# Altium PCB Mirror TurnSignal.PcbDoc
Units mm, origin at the board's own origin, x right, y up, seen from the top; angles counter-clockwise.
Board outline 86.2 x 50.28 mm, 2 copper layers (Top Layer, Bottom Layer); 58 components, 34 nets, 169 pads, 4 vias.
Unrouted connection lines stored in the file: 8.
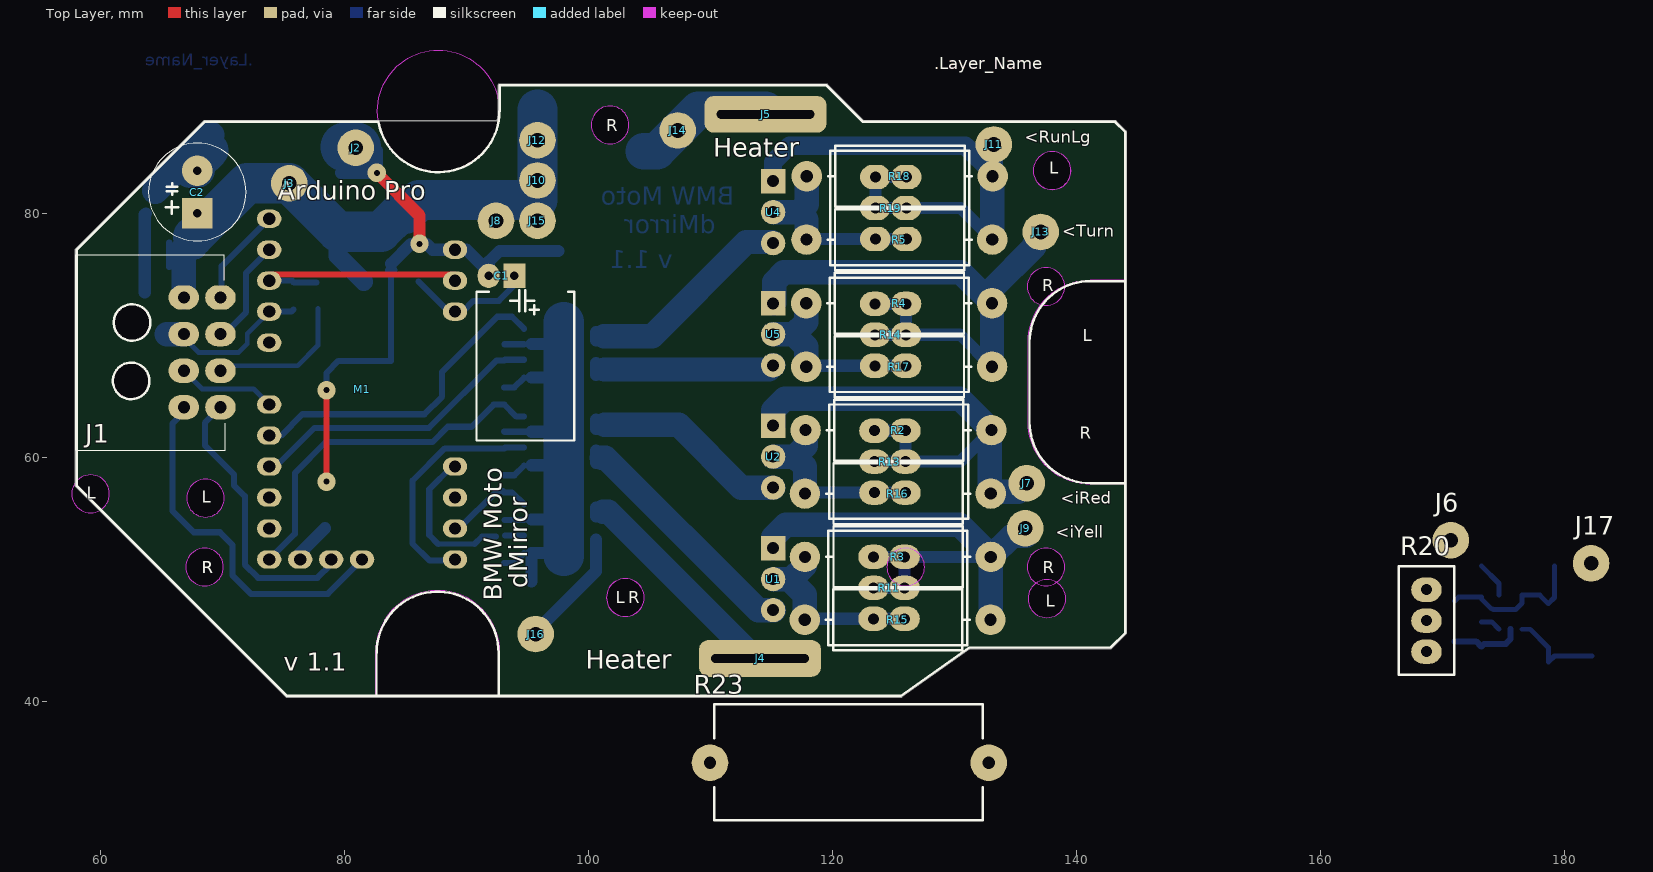
[diagram p0: Top Layer view]
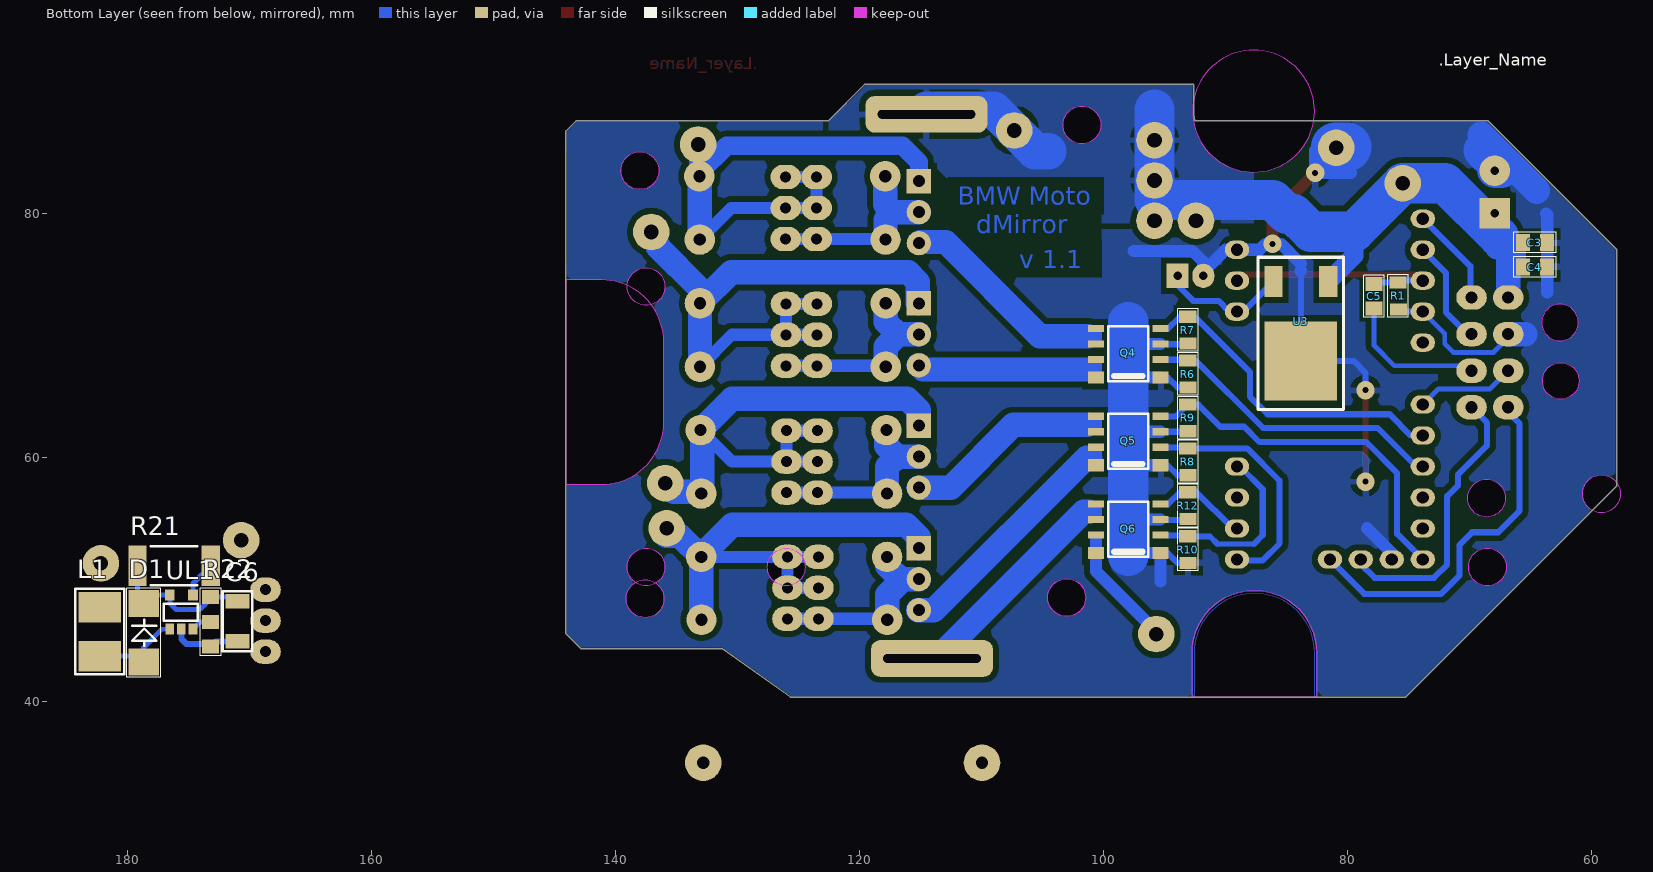
[diagram p1: Bottom Layer view, seen from below]

## Layer stack, top to bottom
Top Solder: solder mask 0.0102, Solder Resist, Dk 3.5
Top Layer: signal copper 0.0356
Dielectric 1: dielectric 0.32, FR-4, Dk 4.8
Bottom Layer: signal copper 0.0356
Bottom Solder: solder mask 0.0102, Solder Resist, Dk 3.5

## Board outline
57.929,57.603 cw(c58,57.674) 57.9,57.674 57.9,77 cw(c58,77) 57.929,77.071 68.429,87.571 cw(c68.5,87.5) 68.5,87.6 92.518,87.6 ccw(c87.68,88.374) 92.58,88.374 cw(c92.68,88.374) 92.59,88.419 92.59,90.5 cw(c92.691,90.5) 92.691,90.6 119.5,90.6 cw(c119.5,90.5) 119.571,90.571 122.542,87.6 143.174,87.6 cw(c143.174,87.5) 143.245,87.571 144.071,86.745 cw(c144,86.674) 144.1,86.674 144.1,45.6 cw(c144,45.6) 144.071,45.529 142.871,44.329 cw(c142.8,44.4) 142.8,44.3 131.232,44.3 125.658,40.342 cw(c125.6,40.424) 125.6,40.324 75.25,40.324 cw(c75.25,40.424) 75.179,40.353
cut-out: 87.675,83.38 cw(c87.675,88.38) 82.675,88.38 cw(c87.675,88.38) 87.675,93.38 cw(c87.675,88.38) 92.675,88.38 cw(c87.675,88.38)
cut-out: 57.6,57 ccw(c59.15,57) 59.15,55.45 ccw(c59.15,57) 60.7,57 ccw(c59.15,57) 59.15,58.55 ccw(c59.15,57)
cut-out: 66.95,51 ccw(c68.5,51) 68.5,49.45 ccw(c68.5,51) 70.05,51 ccw(c68.5,51) 68.5,52.55 ccw(c68.5,51)
cut-out: 101.448,48.492 ccw(c102.998,48.492) 102.998,46.942 ccw(c102.998,48.492) 104.548,48.492 ccw(c102.998,48.492) 102.998,50.042 ccw(c102.998,48.492)
cut-out: 136.452,83.508 ccw(c138.002,83.508) 138.002,81.958 ccw(c138.002,83.508) 139.552,83.508 ccw(c138.002,83.508) 138.002,85.058 ccw(c138.002,83.508)
cut-out: 136.05,62.875 136.05,69.45 cw(c141.15,69.449) 141.15,74.55 143.999,74.55 cw(c143.999,74.449) 144.07,74.52 144.071,74.519 ccw(c144,74.448) 144.071,74.52 ccw(c143.999,74.449) 144.07,74.52 cw(c144,74.448) 144.071,74.52 cw(c143.999,74.449) 144.071,74.519 cw(c144,74.448) 144.1,74.448 144.1,57.874 cw(c144,57.874) 144,57.774 141.15,57.774 cw(c141.15,62.874)
cut-out: 82.499,40.448 ccw(c82.599,40.448) 82.541,40.366 ccw(c82.624,40.424) 82.624,40.324 92.625,40.324 ccw(c92.625,40.424) 92.725,40.424 ccw(c92.625,40.424) 92.708,40.48 ccw(c92.621,40.529) 92.721,40.529 92.721,43.974 ccw(c92.621,43.974) 92.71,44.02 ccw(c87.61,43.974) 82.51,44.02 ccw(c82.599,43.974) 82.499,43.974
cut-out: 136.025,48.4 ccw(c137.575,48.4) 137.575,46.85 ccw(c137.575,48.4) 139.125,48.4 ccw(c137.575,48.4) 137.575,49.95 ccw(c137.575,48.4)
cut-out: 135.95,51 ccw(c137.5,51) 137.5,49.45 ccw(c137.5,51) 139.05,51 ccw(c137.5,51) 137.5,52.55 ccw(c137.5,51)
cut-out: 135.95,74 ccw(c137.5,74) 137.5,72.45 ccw(c137.5,74) 139.05,74 ccw(c137.5,74) 137.5,75.55 ccw(c137.5,74)
cut-out: 136.45,83.5 ccw(c138,83.5) 138,81.95 ccw(c138,83.5) 139.55,83.5 ccw(c138,83.5) 138,85.05 ccw(c138,83.5)
cut-out: 100.2,87.25 ccw(c101.75,87.25) 101.75,85.7 ccw(c101.75,87.25) 103.3,87.25 ccw(c101.75,87.25) 101.75,88.8 ccw(c101.75,87.25)
cut-out: 101.45,48.5 ccw(c103,48.5) 103,46.95 ccw(c103,48.5) 104.55,48.5 ccw(c103,48.5) 103,50.05 ccw(c103,48.5)
cut-out: 67.025,56.65 ccw(c68.575,56.65) 68.575,55.1 ccw(c68.575,56.65) 70.125,56.65 ccw(c68.575,56.65) 68.575,58.2 ccw(c68.575,56.65)
cut-out: 124.45,51 ccw(c126,51) 126,49.45 ccw(c126,51) 127.55,51 ccw(c126,51) 126,52.55 ccw(c126,51)

## Design rules (kind name [scope] priority, off if disabled: settings)
Clearance Clearance_1 [InPolygon vs InPolygon] p1: gap=0.5 ignorepadtopadclearanceinfootprint=FALSE
Clearance Clearance_PolyToBrdCut [InPolygon vs IsRegion] p2: gap=0 ignorepadtopadclearanceinfootprint=FALSE
Clearance Clearance_Poly [InPolygon] p3: gap=0.5 ignorepadtopadclearanceinfootprint=FALSE except(0: Arc-Hole Track-Hole SMDPad-Hole THPad-Hole Via-Hole Fill-Hole Poly-Hole Region-Hole Text-Hole)
Clearance [All] p4: gap=0.3 ignorepadtopadclearanceinfootprint=FALSE except(0: Arc-Hole Track-Hole SMDPad-Hole THPad-Hole Via-Hole Fill-Hole Poly-Hole Region-Hole Text-Hole)
ComponentClearance ComponentClearance_1 [InComponent('R13','R14','R11','R19', 'J3')] p1: gap=0 collisioncheckmode=3 verticalgap=0 showdistances=FALSE
ComponentClearance [All] p2: gap=0.01 collisioncheckmode=3 verticalgap=0.2 showdistances=FALSE
Height [All] p1: minheight=0 maxheight=25 prefheight=12.7
HoleSize [All] p1: absolutevalues=TRUE maxlimit=3.2 minlimit=0.4 maxpercent=80.000 minpercent=20.000
HoleToHoleClearance [All] p1: gap=0.2 allowstackedmicrovias=TRUE
PlaneClearance [All] p1: clearance=0.5
PlaneConnect [All] p1: planeconnectstyle=Relief reliefexpansion=0.508 reliefentries=4 reliefconductorwidth=0.5 reliefairgap=0.01
PolygonConnect [All] p1: connectstyle=Relief reliefconductorwidth=0.5 reliefentries=4 polygonreliefangle="90 Angle" airgapwidth=0.5
RoutingVias [All] p1: holewidth=0.7 width=1.5 viastyle="Through Hole" minholewidth=0.4 minwidth=0.4 maxholewidth=3.2 maxwidth=7
SilkToSilkClearance [All] p1: silktosilkclearance=0.05
SilkToSolderMaskClearance [IsPad] p1: minsilkscreentomaskgap=0.2 clearancetoexposedcopper=TRUE
SolderMaskExpansion [All] p1: expansion=0.1
Width [All] p1: maxlimit=4 minlimit=0.2 preferedwidth=0.5
22 further rules are at their usual default settings.

## Components (designator, comment, footprint, x,y, rotation, side; value= is the part's Value field where it differs from the comment)
C1 "330uF 16V" "Cap E p3.5mm D8xH12 R - PR" 96.6,74.875 r180 top
C2 "470uF 25V" "Cap E p3.5mm D8xH12" 67.9,80 r90 top
C3 "0.1uF" "SMD 0805 (2012)"#1 65.6,77.6 r180 bottom
C4 "0.01uF" "SMD 0805 (2012)"#1 65.6,75.6 r180 bottom
C5 "0.01uF" "SMD 0805 (2012)"#1 77.8,72.2 r90 bottom
C6 "4.7uF" "SMD 1206 (3216)" 171,44.9 r90 bottom
D1 "SS34" "DO-214AC (SMA)" 178.7,43.2 r90 bottom value=1N5822
J1 "Connector" "Molex Micro-Fit 3.0 - 8 pin D R" 66.8,64.1 r270 top
J2 "GND" "OnePin 1.2x3" 80.9,85.375 r0 top
J3 "+12V" "OnePin 1.2x3" 75.45,82.475 r0 top
J4 "Heater" "OnePin 3x10mm Hole 0.7x8" 114.05,43.5 r180 top
J5 "Heater" "OnePin 3x10mm Hole 0.7x8" 114.5,88.125 r180 top
J6 "Y V" "OnePin 1.2x3" 170.7,53.2 r0 top
J7 "iR" "OnePin 1.2x3" 135.925,57.875 r0 top
J8 "OnePinC" "OnePin 1.2x3" 92.4,79.4 r0 top
J9 "iY" "OnePin 1.2x3" 135.8,54.175 r0 top
J10 "OnePinC" "OnePin 1.2x3" 95.8,82.7 r0 top
J11 "RunLight" "OnePin 1.2x3" 133.225,85.65 r0 top
J12 "OnePinC" "OnePin 1.2x3" 95.8,86 r0 top
J13 "Turn" "OnePin 1.2x3" 137.075,78.475 r0 top
J14 "OnePinC" "OnePin 1.2x3" 107.3,86.8 r0 top
J15 "OnePinC" "OnePin 1.2x3" 95.8,79.4 r0 top
J16 "Reserved" "OnePin 1.2x3" 95.65,45.5 r0 top
J17 "Y G" "OnePin 1.2x3" 182.2,51.3 r0 top
L1 "Inductor" "47 mkH" 182.3,43.7 r90 bottom value=47mH
M1 "Arduino Pro" "Arduino Pro Mini Low (no A0-3,6-7,D3)" 73.8,44 r90 top
Q4 "IRF7303" SO8 95.3,66.75 r0 bottom
Q5 "IRF7303" SO8 95.3,59.55 r0 bottom
Q6 "IRF7303" SO8 95.3,52.35 r0 bottom
R1 "10KOm" "SMD 0805 (2012)"#2 75.8,72.2 r90 bottom
R2 "Om" "Res 2W p15.24" 133.025,62.225 r180 top
R3 "51 Om" "Res 2W p15.24" 132.975,51.825 r180 top
R4 "Om" "Res 2W p15.24" 133.075,72.625 r180 top
R5 "Om" "Res 2W p15.24" 133.1,77.85 r180 top
R6 "10 kOm" "SMD 0805 (2012)"#2 93.075,67.85 r270 bottom
R7 "10 kOm" "SMD 0805 (2012)"#2 93.075,71.45 r270 bottom
R8 "10 kOm" "SMD 0805 (2012)"#2 93.075,60.65 r270 bottom
R9 "10 kOm" "SMD 0805 (2012)"#2 93.075,64.25 r270 bottom
R10 "10 kOm" "SMD 0805 (2012)"#2 93.075,53.45 r270 bottom
R11 "КOm" "Res Adj 3296 Univ" 125.9,46.75 r180 top
R12 "10 kOm" "SMD 0805 (2012)"#2 93.075,57.05 r270 bottom
R13 "КOm" "Res Adj 3296 Univ" 125.975,57.1 r180 top
R14 "КOm" "Res Adj 3296 Univ" 126.025,67.5 r180 top
R15 "51 Om" "Res 2W p15.24" 132.95,46.675 r180 top
R16 "Om" "Res 2W p15.24" 132.975,57.025 r180 top
R17 "Om" "Res 2W p15.24" 133.075,67.425 r180 top
R18 "Om" "Res 2W p15.24" 133.125,83.05 r180 top
R19 "КOm" "Res Adj 3296 Univ" 126.05,77.9 r180 top
R20 "20КOm" "Res Adj 2.54 X 3" 168.7,44.06 r180 top
R21 "0.2Om" "SMD 2512 (6432)" 173.2,51.1 r0 bottom
R22 "1: Om; 2: Om" "SMD 0805 (2012) Double" 173.175,44.459 r90 bottom
R23 "Om" "Res 5W L22mm, p22.86" 132.81,34.95 r180 top
U1 "" "TO220 L - 20DG" 115.125,52.55 r180 top
U2 "" "TO220 L - 20DG" 115.119,62.592 r180 top
U3 "7805C" D-PAK 83.8,67.9 r90 bottom
U4 "" "TO220 L - 20DG" 115.119,82.642 r180 top
U5 "" "TO220 L - 20DG" 115.119,72.617 r180 top
UL1 "ZXLD1360ET5TA" SOT-23-5 176.55,45.9 r180 bottom

## Footprints (in the part's own frame and the unit in brackets; to place one, negate y for a bottom-side part, rotate by r counter-clockwise, add the part's x,y. Pads: shape width x height; smd on the part's side, far side on the other; paste and mask are expansions set on the pad)
"47 mkH" [mm] "47 mkH SMD"
  rect 2.5x3.5 smd: 1(0,0) 2(4,0)
  silkscreen extent -1.5,-2 5.5,2, body extent -0.3,-1.6 4.3,1.6, height 2.6
"Arduino Pro Mini Low (no A0-3,6-7,D3)" [mm]
  oval 1.5x2 hole 1: 5V(27.94,-15.24) A4(7.62,-5.08) A5(7.62,-7.62) D2(25.4,0) D4(20.32,0) D5(17.78,0) D6(15.24,0) D7(12.7,0) D8(10.16,0) D9(7.62,0) D10(7.62,-15.24) D11(10.16,-15.24) D12(12.7,-15.24) D13(15.24,-15.24) GND(7.62,-2.54) GND(27.94,0) GND(33.02,-15.24) Reset(30.48,-15.24) Reset(30.48,0) RXD(33.02,0) TXD(35.56,0)
  body extent 5.63,-16.93 39.63,1.67, height 12.5
"Cap E p3.5mm D8xH12" [mm] "D 8mm; H 12mm"
  rect 2.5x2.5 hole 0.7: 1(0,0)
  round 2.5 hole 0.7: 2(3.5,0)
  silkscreen extent -2.25,-4 5.75,4, body extent -2.22,-4 5.75,4, height 12.31
"Cap E p3.5mm D8xH12 R - PR" [mm] "D 8mm; H 12mm"
  rect 1.8x2 hole 0.7: 1(2.7,0)
  oval 1.8x2 hole 0.7: 2(4.8,0)
  silkscreen extent -2.2,1.16 5.8,13.5, body extent -2.28,-0.3 5.78,13.53, height 8.13
D-PAK [mm]
  rect 2.54x1.5 smd: 1(6.5,-2.25) 3(6.5,2.25)
  rect 6.48x5.97 smd: 2(0,0)
  silkscreen extent -4,-3.5 8.5,3.5, body extent -2.7,-3.29 7,3.29, height 2.3
"DO-214AC (SMA)" [mm]
  rect 2.2x2.5 smd: A(0,0) K(4.8,0)
  silkscreen extent -1.25,-1.4 6.05,1.4, body extent -0.42,-1.4 5.08,1.4, height 2.6
"Molex Micro-Fit 3.0 - 8 pin D R" [mm]
  oval 2x2.5 hole 1: 1(0,0) 2(-3,0) 3(-6,0) 4(-9,0) 5(0,3) 6(-3,3) 7(-6,3) 8(-9,3)
  Keep-Out Layer board cut-out: -3.66,-4.32 -3.546,-4.894 -3.221,-5.381 -2.734,-5.706 -2.16,-5.82 -2.16,-5.82 -1.586,-5.706 -1.099,-5.381 -0.774,-4.894 -0.66,-4.32 -0.66,-4.32 -0.774,-3.746 -1.099,-3.259 -1.586,-2.934 -2.16,-2.82 -2.16,-2.82 -2.734,-2.934 -3.221,-3.259 -3.546,-3.746 -3.66,-4.32
  Keep-Out Layer board cut-out: -6.95,-5.75 -7.524,-5.636 -8.011,-5.311 -8.336,-4.824 -8.45,-4.25 -8.45,-4.25 -8.336,-3.676 -8.011,-3.189 -7.524,-2.864 -6.95,-2.75 -6.95,-2.75 -6.376,-2.864 -5.889,-3.189 -5.564,-3.676 -5.45,-4.25 -5.45,-4.25 -5.564,-4.824 -5.889,-5.311 -6.376,-5.636 -6.95,-5.75
  silkscreen extent -12.52,-8.87 3.52,3.4, body extent -12.57,-8.87 3.58,3.37, height 8.73
"OnePin 1.2x3" [mm]
  round 3 hole 1.2: 1(0,0)
"OnePin 3x10mm Hole 0.7x8" [mm]
  rrect50% 10x3 hole 0.7 slot 8 at 0 deg: 1(0,0)
"Res 2W p15.24" [mm] "D5mm, Pin2pin 15.24mm"
  round 2.5 hole 1: 1(0,0) 2(15.24,0)
  silkscreen extent 1.7,-2.5 13.5,2.5, body extent -0.35,-2.5 15.59,2.5, height 5
"Res 5W L22mm, p22.86" [mm] "L22mm pp22.86; horisontal"
  round 3 hole 1: 1(0,0) 2(22.86,0)
  silkscreen extent 0.5,-4.8 22.5,4.7, body extent -0.4,-4.5 23.26,4.5, height 9.5
"Res Adj 2.54 X 3" [mm]
  oval 2.5x2 hole 0.9: 1(0,0) 2(0,-2.54) 3(0,-5.08)
  silkscreen extent -2.29,-6.98 2.29,1.91, body extent -2.39,-7.14 2.41,2.06, height 12.06
"Res Adj 3296 Univ" [mm]
  oval 2.5x2 hole 0.9: 1(0,0) 1(2.54,0) 2(0,-2.54) 2(2.54,-2.54) 3(0,-5.08) 3(2.54,-5.08)
  Bottom Layer lines w1: 2.54,0 0,0 ; 2.54,-2.54 0,-2.54 ; 2.54,-5.08 0,-5.08
  silkscreen extent -5.15,-7.22 6.25,2.15, body extent -5.22,-7.3 6.32,2.23, height 4.82
"SMD 0805 (2012)"#1 [mil]
  rect 45x55 smd: 1(0,0) 2(78.74,0)
  silkscreen extent -29,-33 107,33, body extent 1,-25 80,25, height 31
"SMD 0805 (2012)"#2 [mil]
  rect 39.37x55.12 smd: 1(-2.95,0) 2(83.66,0.98)
  silkscreen extent -29,-32 109,34, body extent 1,-24 80,26, height 18
"SMD 0805 (2012) Double" [mil]
  rect 45x55 smd: 1(0.35,0.98) 2(160.35,0.98) 3(80.35,0.98)
  silkscreen extent -29,-32 189,34, body extent 1,-24 159,26, height 18
"SMD 1206 (3216)" [mm]
  rect 1.2x2 smd: 1(0,0) 2(3.3,0)
  silkscreen extent -0.8,-1.2 4.1,1.2, body extent 0.05,-0.75 3.25,0.85, height 1
"SMD 2512 (6432)" [mm]
  rect 1.5x3.3 smd: 1(0,0) 2(6,0)
  silkscreen extent 1.1,-1.6 4.9,1.6, body extent -0.2,-1.6 6.2,1.6, height 0.6
SO8 [mm]
  rect 1.3x1 smd: 1(0,0.2) 8(5.3,0.2)
  rect 1.3x0.6 smd: 2(0,-1.27) 3(0,-2.54) 4(0,-3.81) 5(5.3,-3.81) 6(5.3,-2.54) 7(5.3,-1.27)
  silkscreen extent 1,-4 4.3,0.5, body extent -0.32,-4.33 5.67,0.57, height 1.6
SOT-23-5 [mm]
  rect 0.7x0.9 smd: 1(0,0) 2(0.95,0) 3(1.9,0)
  rect 0.8x0.9 smd: 4(1.9,2.8) 5(0,2.8)
  silkscreen extent -0.5,0.7 2.3,2.1, body extent -0.6,-0.1 2.4,2.9, height 1.42
"TO220 L - 20DG" [mm]
  rect 2x2 hole 1: 1(0,0)
  round 2 hole 1: 2(0,2.54) 3(0,5.08)
  body extent -1.39,-2.45 19.94,7.55, height 9.5

## Part data
C1 C2: library part "Cap Elecrolitic", "Capacitor"
C3 C4 C5 C6: library part "Cap SMD 0402-1812", "Capacitor"
D1: library part "D Shotki All", "Shotki  Diode", PackageReference=DO-201
J1: library part "Micro-Fit 8R (2x4)", "Horisontal, Dbl line, Male - 3mm"
J2 J3 J4 J5 J6 J7 J8 J9 J10 J11 J12 J13 J14 J15 J16 J17: library part "OnePin Connector", "Only pad"
M1: library part "Arduino Pro Micro"
Q4 Q5 Q6: "Dual N-Ch  30V - 0.05? - 4.9A", I d - Drain current (continuous) at TC = 25°C="4.9 A", I d - Drain current (continuous) at TC = 70°C="3.9 A", Manufacturer=Farchild, C In=520pF, C Out=180pF, Datasheet=http://tec.org.ru/board/0-0-0-3164-20, Name=IRF7303, RDS=<0.05Om, V DSS (v)="30 v"
R1 R2 R3 R4 R5 R6 R7 R8 R9 R10 R12 R15 R16 R17 R18 R21: library part "Res All Types"
R11 R13 R14 R19 R20: library part "Res Adj 3296"
R22: library part "Res SMD (Select one way)", "Choice from two resistors"
R23: library part "Res 5W", "5W Cement"
U1 U2 U4 U5: library part LM-317, "Voltage Regulator", Case=TO-220, Datasheet=http://www.ti.com/lit/ds/symlink/lm317.pdf, I output (A) Adjustable=0.01...1.5A, V Out=+1,2...37V, Напряжение выход-вход (dropout)="2 v"
U3: "Voltage Regulator", Case=D2PAK, Manufacturer=Интеграл, Max Voltage In (V)=35, I output (A)=1, Name=7805C, Shema=http://tec.org.ru/_bd/5/57349922.jpg, t=-10..+70°C, V Out=+4,8..5,2V, Напряжение выход-вход (dropout)=>2V
UL1: "Led Driver - 1A, 7-30V In", ComponentLink1URL=www.zetex.com, DataSheet URL=https://lib.chipdip.ru/296/DOC000296166.pdf, Name=ZXLD1360ET5TA, PackageDescription=SOT-23-5
L1: Code_IEC=1005, Code_JEITA=0402, LatestRevisionDate=29-May-2009, LatestRevisionNote="IPC-7351 Footprint Added.", PackageDescription="Chip Inductor", PackageReference=0402-A, Published=8-Jun-2000, Publisher="Altium Limited"

## Via types
v1: diameter 1.5, hole 0.5, Top Layer to Bottom Layer, 4 vias

## Nets (pads, with @x,y where several pads share a name; then routed paths per layer and width w, separated by ;. In a path a pad name is that pad's centre, name@x,y a point inside that pad or via, vN(x,y) a via of type N, cw(c..) or ccw(c..) an arc to the next point about the centre after c; other vN are vias at no path point)
+5V: C1.1 M1.5V U3.3 | length 11
  Bottom Layer w0.4: M1.5V@89,71.9 M1.5V
  Bottom Layer w0.5: U3.3 88.51,71.94 M1.5V ; M1.5V@88.95,71.95 89.675,71.95 90.55,72.825 92.625,72.825 93.9,74.1 C1.1@93.9,75.2
+12V: C2.1 C3.1 C4.1 C6.2 D1.K J1.4 J3.1 J5.1 J8.1 J10.1 J12.1 J14.1 J15.1 R20.3 R21.2 R22.2 U3.1 UL1.5 | length 76.7
  Bottom Layer w0.4: C6.2 171.332,48.532 R22.2 173.2,48.4 174.028,47.571 174.106,47.571 174.177,47.5 176,47.5 176.55,48.05 UL1.5 178,48.7 D1.K 179.2,48.5 R21.2
  Bottom Layer w0.5: C4.1 C3.1
  Bottom Layer w1.5: 71.9,81.4 72.1,81.6 ; 79.425,78.5 79.425,76.525 U3.1
  Bottom Layer w2: J1.4 66.8,77.2 67.7,77.2
  Bottom Layer w3: 104.5,85.1 105.6,85.1 J14.1 109,88.5 J5.1@114.5,88.5
  Bottom Layer w3.3: 67.575,78.075 71.975,82.475 J3.1 79.425,78.5 82.96,78.5 84.41,79.95 84.939,79.95 86.089,81.1 95.8,81.1 J10.1 J12.1 95.8,88.5
DIG: J1.2 M1.D4 | length 8.5
  Bottom Layer w0.4: J1.2@66.8,67.4 J1.2 68.3,65.6 72.52,65.6 M1.D4
GND: C1.2 C2.2 C3.2 C4.2 C6.1 J1.3 J2.1 M1.GND Q4.1 Q4.3 Q5.1 Q5.3 Q6.1 Q6.3 R1.1 R6.2 R7.2 R8.2 R9.2 R10.2 R12.2 R20.1 R22.1 U3.2 UL1.2 | length 140.1
  Top Layer w0.5: v1@78.5,58.5 v1@78.5,66
  Top Layer w1: v1(82.625,83.325) 86.125,79.825 v1(86.125,77.5)
  Bottom Layer w0.4: J1.3@66.8,69.8 68,68.6 71.3,68.6 72,69.3 72,70.14 73.8,71.94 M1.GND@73.8,71.729
  Bottom Layer w0.5: C4.2 C3.2 ; J1.3@66.8,69.8 J1.3 ; M1.GND@73.8,71.94 75.615,71.94 R1.1 ; v1(78.5,65.5) 78.5,66.925 79.475,67.9 U3.2 83.8,75.301 83.8,75.875 ; R10.2 93.9,51.325 Q6.1@94.7,52.125 ; R8.2 93.9,58.525 Q5.1@94.7,59.325 ; R9.2 93.085,62.09 Q5.3 ; R6.2 93.9,65.725 Q4.1@94.7,66.525 ; R12.2@93.11,54.865 Q6.3@94.7,54.865 ; R7.2@93.11,69.265 Q4.3@94.7,69.265 ; C6.1 172.768,44.9 R22.1 173.432,44.7 175.2,44.7 175.6,45.1 UL1.2
  Bottom Layer w1: 63.6,73.5 63.6,79.9 63.7,80 ; M1.GND@76.34,51.62 76.34,52.14 78.375,54.175 ; 79.675,83.325 v1(82.625,83.325) 82.625,85.15 ; 83.799,75.3 83.8,75.301 ; 83.8,75.875 85.425,77.5 v1(86.125,77.5) 86.7,77.5 87.18,77.02 89.04,77.02 89.98,77.02 91.8,75.2 91.8,76.025 92.7,76.925 97.5,76.925 ; 95.3,49.8 Q6.1 97.7,52.15 ; Q6.3 97.915,54.89 ; Q5.1 97.9,59.35 ; Q5.3 97.835,62.09 ; Q4.1 97.9,66.55 ; Q4.3 97.935,69.29
  Bottom Layer w2: 65.408,70.1 J1.3
  Bottom Layer w2.2: 64.449,81.851 69.03,86.432
  Bottom Layer w3: C2.2@67.35,83.575 C2.2@67.875,83.575 ; C2.2@67.875,84.075 68.975,85.175
  Bottom Layer w3.3: 97.95,51.9 97.95,71.1
  Bottom Layer w4: J2.1@79.998,85.448 J2.1@80.948,85.448
  other v1: 78.5,58
LAdj: R20.2 R22.3 UL1.3 | length 1.7
  Bottom Layer w0.4: R22.3 174.05,46.5 UL1.3
"LED GND": J17.1 L1.2
"LED VCC": J6.1 R21.1 UL1.4 | length 3
  Bottom Layer w0.4: R21.1 174.65,49.65 UL1.4
NetC5_2: C5.2 M1.Reset R1.2 | length 19.2
  Top Layer w0.5: M1.Reset@73.8,74.98 M1.Reset@89.04,74.98
  Bottom Layer w0.5: M1.Reset@73.8,74.48 75.67,74.48 R1.2 C5.2@77.675,74.325
NetD1_A: D1.A L1.1 UL1.1 | length 7.8
  Bottom Layer w0.4: UL1.1 177.2,45.9 178.7,44.4 D1.A 179.2,43.7 L1.1
NetR2_2: R2.2 R13.1 R16.2 U2.2 | length 13.4
  Bottom Layer w1: R16.2 117.81,57.1 R13.1@123.435,57.1
  Bottom Layer w2: U2.2 116.902,60.052 ; R16.2 117.735,59.218 116.902,60.052 ; R2.2 117.785,60.935 116.902,60.052
NetR3_2: R3.2 R11.1 R15.2 U1.2 | length 13.1
  Bottom Layer w1: R15.2 117.785,46.75 R11.1@123.36,46.75
  Bottom Layer w2: U1.2 116.423,50.01 ; R15.2 117.71,48.723 116.529,49.904 117.735,51.11 R3.2
NetR4_2: R4.2 R14.1 R17.2 U5.2 | length 13.4
  Bottom Layer w1: R17.2 117.91,67.5 R14.1@123.485,67.5
  Bottom Layer w2: U5.2 116.823,70.077 ; R17.2 117.835,69.065 116.823,70.077 ; R4.2 117.835,71.088 116.823,70.077
NetR5_2: R5.2 R18.2 R19.1 U4.2 | length 13.5
  Bottom Layer w1: R5.2 117.91,77.9 R19.1@123.51,77.9
  Bottom Layer w2: U4.2 117.223,80.102 ; R5.2 117.86,79.465 117.223,80.102 ; R18.2 117.885,80.763 117.223,80.102
O-DIGITAL: J16.1 Q6.7 Q6.8 | length 9.5
  Bottom Layer w1: J16.1@95.7,45.75 100.6,50.65 Q6.8 100.6,53.25
O-HEATER: J4.1 Q6.5 Q6.6 | length 19.4
  Bottom Layer w1: Q6.6@100.6,55.15 Q6.5@100.6,55.875
  Bottom Layer w2: 101.175,55.525 101.625,55.525 113.9,43.25 J4.1@114.8,43.25
O-HLIGHT: J11.1 R5.1 R18.1 R19.2 R19.3 U4.1 | length 39.6
  Bottom Layer w1: R19.2@123.51,80.44 R19.3@123.51,82.98 ; R19.2@126.05,80.44 130.51,80.44 R5.1
  Bottom Layer w1.5: U4.1 115.119,84.194 116.472,85.547 130.878,85.547 R18.1@133.125,83.3 ; R18.1 133.225,83.15 J11.1
  Bottom Layer w2: R5.1@133.1,78.1 133.1,83.275 R18.1@133.125,83.3
O-IRED: J7.1 R2.1 R13.2 R13.3 R16.1 U2.1 | length 39.6
  Bottom Layer w1: R13.3@125.975,62.18 125.975,59.64 130.44,59.64 132.889,62.089 R2.1
  Bottom Layer w2: U2.1 115.119,63.844 116.075,64.8 130.45,64.8 R2.1@132.889,62.361 ; R2.1@132.889,62.089 132.889,57.361 R16.1@132.975,57.275 ; R2.1@132.889,62.225 R2.1@132.889,62.361 ; R16.1 133.125,57.175 135.225,57.175 J7.1 ; R2.1 R2.1@132.889,62.361
O-IYELLOW: J9.1 R3.1 R11.2 R11.3 R15.1 U1.1 | length 38.5
  Bottom Layer w1: R11.2@125.9,49.29 125.9,49.466 125.9,51.83 R11.3@126.389,51.83 ; R11.3@126.389,51.977 126.508,51.859 126.508,51.83 132.97,51.83 R3.1
  Bottom Layer w2: U1.1 115.125,53.425 116.15,54.45 130.44,54.45 132.975,51.915 R3.1 ; R15.1@132.95,46.925 132.975,46.95 R3.1 ; J9.1@135.825,53.575 134.725,53.575 R3.1
O-TURN: J13.1 R4.1 R14.2 R14.3 R17.1 U5.1 | length 43.2
  Bottom Layer w1: R14.3@126.025,72.58 126.025,70.04 130.46,70.04 R17.1
  Bottom Layer w2: U5.1@115.2,72.617 115.2,74.375 116,75.175 130.525,75.175 R4.1 ; R4.1@133.025,72.825 R4.1@133.075,72.875 ; R17.1 R4.1 ; J13.1@136.55,77.425 136.55,77.275 133.075,73.8 R4.1
OL-DIGITAL: M1.D13 Q6.2 R10.1 | length 14.7
  Bottom Layer w0.4: 87.675,52.875 90.625,52.875
  Bottom Layer w0.5: 87.675,52.875 86.925,53.625 86.925,57.375 88.79,59.24 M1.D13 M1.D13@89.38,58.9 ; 90.625,52.875 91.25,53.5 R10.1@92.4,53.5 ; R10.1@93.145,53.595 Q6.2@94.7,53.595
OL-HEATER: M1.D11 Q6.4 R12.1 | length 7.5
  Bottom Layer w0.5: M1.D11 M1.D11@89.385,54.16 ; M1.D11@89.46,54.16 M1.D11@89.385,54.16 ; Q6.4@94.7,56.135 93.71,57.125 R12.1 92.975,57.225 92.45,57.225 M1.D11@89.385,54.16
OL-HLIGHT: M1.D5 Q4.4 R7.1 | length 26.5
  Bottom Layer w0.5: M1.D5 74.78,61.78 76.525,63.525 86.525,63.525 87.975,64.975 87.975,67 92.5,71.525 R7.1 93.71,71.525 Q4.4@94.7,70.535
OL-IRED: M1.D9 Q5.4 R9.1 | length 29.5
  Bottom Layer w0.5: M1.D9 75.9,53.72 75.9,58.7 78.45,61.25 87.194,61.25 88.444,62.5 90.4,62.5 92.211,64.311 R9.1@93.075,64.311 ; R9.1 94.065,63.335 Q5.4@94.7,63.335
OL-IYELLOW: M1.D10 Q5.2 R8.1 | length 19.3
  Bottom Layer w0.5: M1.D10@88.96,51.54 86.935,51.54 85.55,52.925 85.55,58.075 88.2,60.725 R8.1 ; R8.1@93.145,60.795 Q5.2@94.7,60.795
OL-TURN: M1.D6 Q4.2 R6.1 | length 24.4
  Bottom Layer w0.5: M1.D6 74.34,59.24 77.5,62.4 86.9,62.4 92.425,67.925 R6.1 ; R6.1@93.145,67.995 Q4.2@94.7,67.995
OM-HLIGHT: Q4.5 Q4.6 U4.3 | length 17.7
  Bottom Layer w1: Q4.6@100.6,69.575 100.6,70.25
  Bottom Layer w2: 101.25,69.925 105.2,69.925 112.928,77.653 U4.3@115.028,77.653
OM-IRED: Q5.5 Q5.6 U2.3 | length 16.7
  Bottom Layer w1: Q5.6@100.6,62.325 Q5.5@100.6,63.1
  Bottom Layer w2: 101.3,62.65 107.375,62.65 112.513,57.512 U2.3
OM-IYELLOW: Q5.7 Q5.8 U1.3 | length 20.3
  Bottom Layer w1: Q5.8@100.6,59.55 Q5.7@100.6,60.55
  Bottom Layer w2: 101.05,59.975 101.375,59.975 113.888,47.462 U1.3@115.194,47.462
OM-TURN: Q4.7 Q4.8 U5.3 | length 15
  Bottom Layer w1: Q4.8@100.6,66.75 Q4.7@100.6,67.725
  Bottom Layer w2: 101.275,67.2 114.782,67.2 U5.3
RST: C5.1 J1.6 | length 11.9
  Bottom Layer w0.4: J1.6 70.2,67.5 76.125,67.5 77.8,69.175 C5.1
RX: J1.7 M1.RXD | length 8.8
  Bottom Layer w0.5: J1.7 70.1,70.1 71.9,71.9 71.9,75.12 M1.RXD
SCL: J1.1 M1.A5 | length 29.9
  Bottom Layer w0.5: J1.1 66.8,63.7 65.875,62.775 65.875,55.583 67.608,53.85 69.75,53.85 70.8,52.8 70.8,50.3 72.3,48.8 78.6,48.8 M1.A5
SDA: J1.5 M1.A4 | length 23.2
  Bottom Layer w0.5: J1.5 68.525,62.825 68.525,60.975 70.9,58.6 70.9,57.7 71.8,56.8 71.8,51.2 72.9,50.1 77.75,50.1 78.88,51.23 M1.A4
TX: J1.8 M1.TXD | length 9
  Bottom Layer w0.5: J1.8 J1.8@70.7,73.1 ; J1.8@69.9,73.1 69.9,75.66 M1.TXD
pads on no net: M1.D2 M1.D7 M1.D8 M1.D12 R23.1 R23.2

## Polygon pours and split planes (outlines as drawn)
+12V on Bottom Layer "Bottom Layer-No Net" (solid, pour order 27): 92.7,90.5 92.7,88.405 cw(c87.675,88.405) 87.675,83.38 87.675,79.2 109.175,79.2 116.225,86.25 122.5,86.25 122.5,79.242 122.5,87.5 119.5,90.5
GND on Bottom Layer "Bottom Layer-No Net" (solid, pour order 25): 143.2,87.5 144,86.685 ccw(c508.335,80.568) 144,74.45 ccw(c142.575,-95.461) 141.15,74.45 ccw(c141.155,69.445) 136.15,69.45 ccw(c3263.805,66.162) 136.15,62.875 ccw(c141.172,62.897) 141.15,57.875 ccw(c142.575,385.963) 144,57.875 144,45.6 142.8,44.4 131.2,44.4 125.6,40.4 92.59,40.4 92.59,44 ccw(c87.595,44) 82.6,44 82.6,40.4 75.25,40.424 58,57.7 58,77 68.5,87.5 82.756,87.5 ccw(c87.673,88.354) 92.59,87.5 92.664,88.374 92.7,90.5 119.5,90.5 122.5,87.5
no net on Bottom Layer "NONET_L02_P010" (none, pour order 10): 82.499,40.448 82.499,43.974 cw(c82.599,43.974) 82.51,44.02 cw(c87.61,43.974) 92.71,44.02 cw(c92.621,43.974) 92.721,43.974 92.721,40.529 cw(c92.621,40.529) 92.52,40.529 92.52,43.929 cw(c92.61,43.974) 92.51,43.974 ccw(c87.61,43.974) 82.71,43.974 cw(c82.61,43.974) 82.7,43.929 82.7,40.448 cw(c82.599,40.448)

## Other copper
Top Layer:
  text ".Layer_Name" at 128.325,91.825 h1
Bottom Layer:
  text ".Layer_Name" at 72.475,92.125 h1
  text "BMW Moto" at 111.95,80.7 h1.5
  text "dMirror" at 110.425,78.375 h1.5
  text "v 1.1" at 106.9,75.5 h1.5

## Silkscreen, mask and mechanical layers (free items; w line width, h text height)
Top Overlay:
  lines w0.2: 82.599,40.448 82.599,43.974 ; 82.756,87.5 68.5,87.5 58,77 58,57.674 75.25,40.424 125.6,40.424 131.2,44.4 142.8,44.4 144,45.6 144,86.674 143.174,87.5 122.5,87.5 119.5,90.5 113.971,90.5 92.691,90.5 92.691,88.374 ; 82.776,87.399 ccw(c87.68,88.374) 92.68,88.374 ; 92.61,40.435 92.61,43.974 ; 144,57.874 141.15,57.874 cw(c141.15,62.874) 136.15,62.875 ; 144,74.448 143.999,74.449 141.15,74.449 ccw(c141.15,69.449) 136.15,69.45 136.15,62.875 ; 92.61,43.974 ccw(c87.61,43.974) 82.61,43.974 cw(c87.61,43.974) 92.61,43.974 ; 136.15,62.875 136.15,62.875
  text ".Layer_Name" at 128.325,91.825 h1
  text "R" at 101.45,86.75 h1
  text "<RunLg" at 135.75,85.775 h1
  text "L" at 137.75,83.25 h1
  text "<Turn" at 138.85,78.1 h1
  text "R" at 137.175,73.6 h1
  text "L" at 140.5,69.5 h1
  text "R" at 140.25,61.5 h1
  text "L" at 58.825,56.6 h1
  text "L" at 68.25,56.25 h1
  text "<iRed" at 138.7,56.2 h1
  text "<iYell" at 138.3,53.4 h1
  text "R" at 68.25,50.5 h1
  text "R" at 68.25,50.5 h1
  text "R" at 137.25,50.5 h1
  text "dMirror" at 94.975,49.275 h1.5 r90
  text "BMW Moto" at 92.875,48.25 h1.5 r90
  text "L" at 102.225,48.025 h1
  text "R" at 103.225,48.025 h1
  text "L" at 137.5,47.75 h1
  text "v 1.1" at 75,42.5 h1.5
Bottom Overlay:
  text ".Layer_Name" at 72.475,92.125 h1
Top Solder:
  text ".Layer_Name" at 128.325,91.825 h1
Bottom Solder:
  text ".Layer_Name" at 72.475,92.125 h1
Mechanical 2:
  text "86 x 50 mm Left and Right Version" at 58.475,95.375 h1
  text "V 1.1" at 134.3,94.3 h2
  text "F800 dMirror - Turn, Runlight, Indicator signals." at 58.45,93.6 h1
  text ".Pcb_File_Name_No_Path" at 58.4,91.55 h1
Mechanical 3:
  text "86 x 50 mm Left and Right Version" at 143.35,95.375 h1
  text "V 1.1" at 67.6,94.2 h2
  text "F800 dMirror - Turn, Runlight, Indicator signals." at 143.325,93.6 h1
  text ".Pcb_File_Name_No_Path" at 143.275,91.55 h1
Mechanical 5:
  circle w0.2: c59.15,57 r1.55
  circle w0.2: c68.5,51 r1.55
  circle w0.2: c138,83.5 r1.55
  circle w0.2: c101.75,87.25 r1.55
  circle w0.2: c68.5,51 r1.55
  circle w0.2: c103,48.5 r1.55
  circle w0.2: c126,51 r1.55
  circle w0.2: c137.5,51 r1.55
  circle w0.2: c137.5,74 r1.55
  circle w0.2: c138,83.5 r1.55
  circle w0.2: c126.075,47.15 r1.55
  circle w0.2: c68.575,56.65 r1.55
  circle w0.2: c137.575,48.4 r1.55
  lines w0.2: 31.05,75.674 164.25,75.674 ; 34.75,87.174 149.05,87.174 ; 43.25,64.174 163.25,64.174 ; 47,56.724 47,61.224 ; 49.65,52.674 149.75,52.674 ; 51.5,50.424 51.5,95.624 ; 62.977,49.426 63,98.724 ; 71.05,41.174 147.25,41.174 ; 74.5,35.924 74.5,101.924 ; 86,34.224 86,103.424 ; 90.75,29.674 128.25,29.674 ; 97.5,24.924 97.5,97.174 ; 109,23.824 109,104.724 ; 120.5,26.424 120.5,102.924 ; 132,39.424 132,101.424 ; 143.5,38.424 143.5,95.324
  text "18mm" at 88.875,106.625 h1 r90
  text "6mm" at 136.45,105.25 h1 r90
  text "7mm" at 132.4,105.025 h1 r90
  text "R" at 125.75,50.5 h1
  text "L" at 125.75,46.75 h1
Drill Drawing:
  text ".Legend" at 58.5,99.5 h1

## Dimensions
58,40 to 144,40.5 on Mechanical 3
58,40 to 144,40.5 on Mechanical 2
58,90.5 to 75.25,40.424 on Mechanical 3
58,90.5 to 75.25,40.424 on Mechanical 2